# Altium PCB APP_EMILE.PcbDoc (part 5 of 6) (continued)
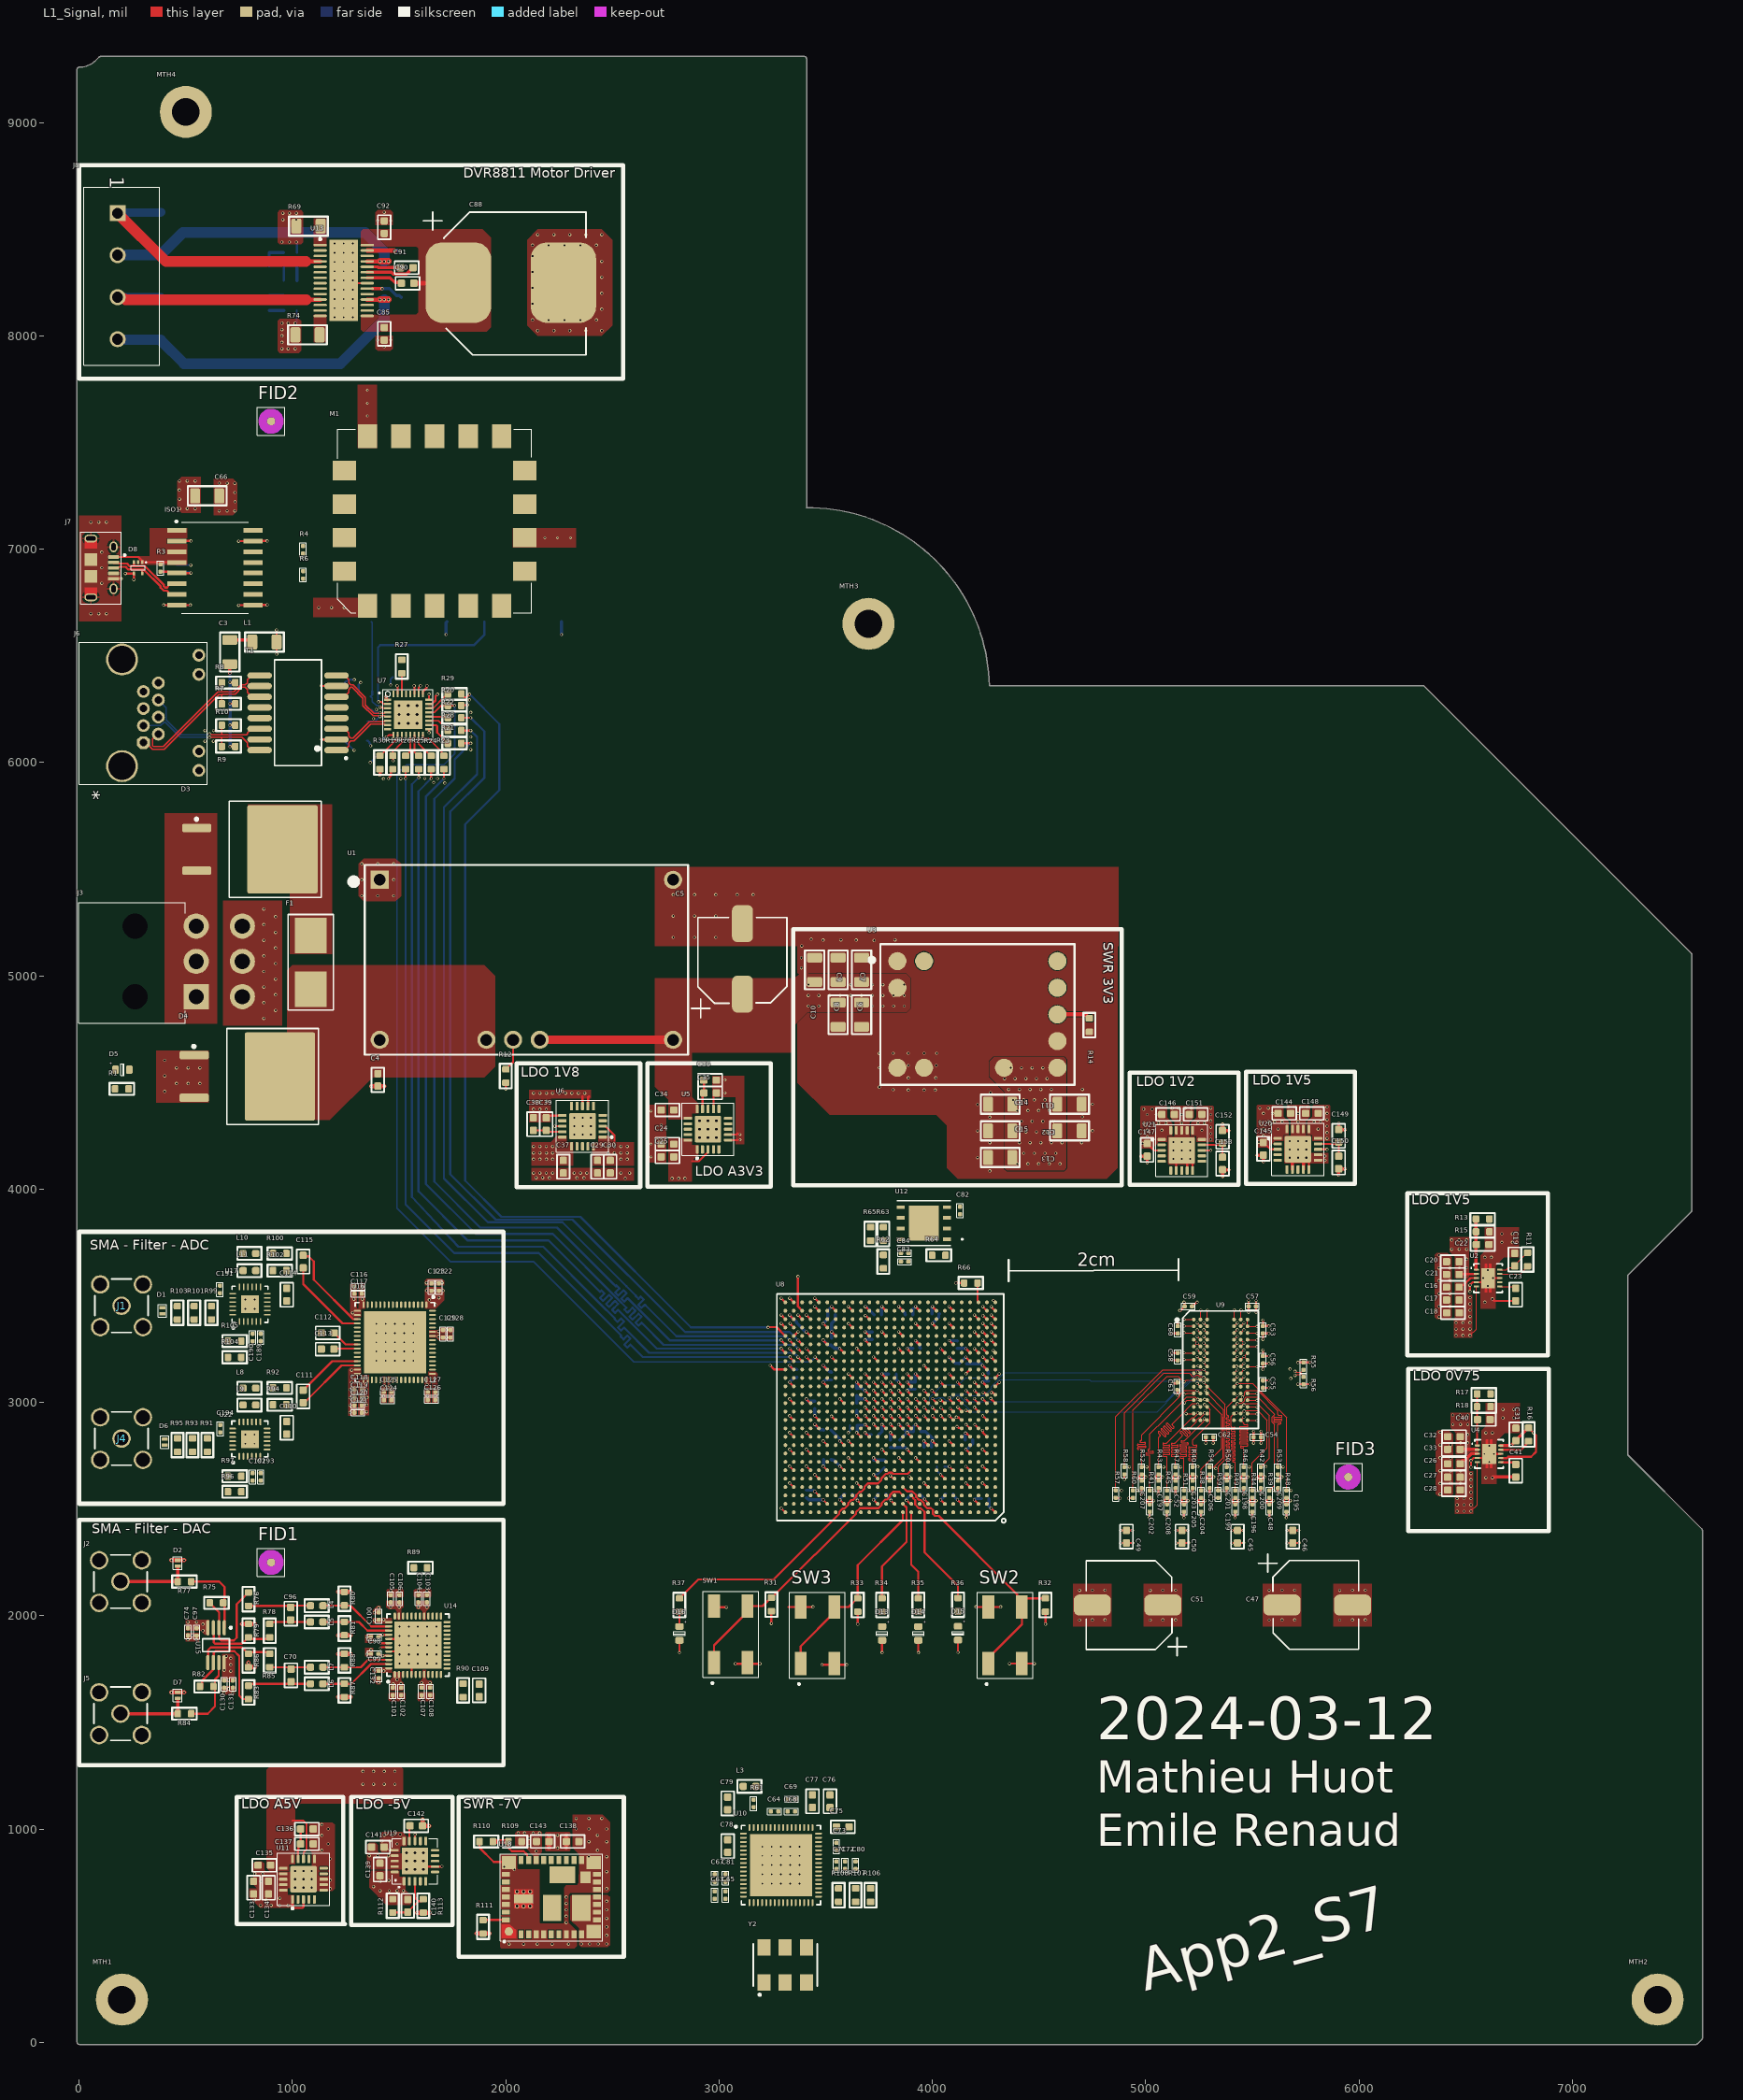
[diagram p0: L1_Signal view]
## Nets (pads, with @x,y where several pads share a name; then routed paths per layer and width w, separated by ;. In a path a pad name is that pad's centre, name@x,y a point inside that pad or via, vN(x,y) a via of type N, cw(c..) or ccw(c..) an arc to the next point about the centre after c; other vN are vias at no path point) (continued)
  L1_Signal w4: v1(5180,3038.39) 5181.8,3040.2 5193.5,3040.2 5195.5,3042.2 5223.86,3042.2 U9.M1@5224.53,3042.87 ; v1@5180.67,3200.35 U9.G1@5224.53,3200.35 ; v1@5180.67,3357.83 U9.B1@5224.53,3357.83 ; U9.B1@5224.53,3359.33 U9.B1@5225.2,3358.66 ; U9.E1@5225.2,3262.67 5225.93,3262.67 5240.77,3277.51 v1(5241.5,3277.51) ; U9.D1@5225.2,3294.17 5225.2,3293.99 5241.5,3277.69 v1(5241.5,3277.51) ; v1(5242.36,3088.43) 5242.36,3088.23 5256.7,3073.89 U9.L2@5256.7,3073.7 ; v1(5243.94,3141.54) 5246.92,3141.54 5249.15,3139.31 5254.07,3139.31 U9.J2@5256.7,3136.69 ; U9.E2@5256.7,3262.67 5256.52,3262.67 5241.68,3277.51 v1(5241.5,3277.51) ; v1(5273,3372) 5273.18,3372 5288.02,3357.16 U9.B3@5288.2,3357.16 ; U9.J8@5445.68,3136.69 5445.68,3138.12 5460.52,3152.96 v1(5460.52,3154.39) ; U9.G8@5445.68,3199.68 5445.68,3199.86 5460.52,3214.7 v1(5460.52,3214.88) v1@5460.69,3214.88 ; U9.E8@5445.68,3262.67 5445.68,3262.85 5460.52,3277.69 v1(5460.52,3277.87) 5460.52,3278.6 5445.68,3293.44 U9.D8@5445.68,3294.17 U9.D8@5445.68,3294.35 ; U9.G9@5477.17,3199.68 5476.44,3199.68 5461.25,3214.88 v1@5460.69,3214.88 ; U9.F9@5477.17,3231.18 5476.99,3231.18 v1@5460.69,3214.88 ; U9.B9@5477.17,3357.16 U9.A9@5477.17,3388.66 ; U9.T9@5477.84,2915.54 v1@5521.7,2915.54 ; U9.P9@5477.84,2978.54 v1@5521.7,2978.54 ; U9.M9@5477.84,3041.53 v1@5521.7,3041.53 ; U9.B9@5477.84,3356.49 v1@5521.7,3356.49
  L1_Signal w10: v1(747.47,6737.32) 747.87,6737.72 813.83,6737.72 ISO1.9@814.22,6738.11 814.62,6738.51 880.58,6738.51 v1(880.98,6738.9) ; v1(747.47,7037.32) 747.87,7037.72 813.83,7037.72 ISO1.15@814.22,7038.11 814.62,7038.51 880.58,7038.51 v1(880.98,7038.9) ; v1(925.26,6621.4) L1.1@925.26,6565.11 925.98,6564.4 v1(925.98,6508.11) ; v3(1283.31,8260) 1296.1,8247.2 U13.21@1350.24,8247.2 ; U14.44@1451.32,1832.17 1487.74,1832.17 v1(1501.52,1818.39) ; U14.41@1451.32,1891.22 1487.74,1891.22 v1(1501.52,1905) ; v1(1544.82,1775.08) 1558.6,1761.3 U14.5@1558.6,1724.88 ; v5(1613.19,810) 1626.97,823.78 U19.7@1668.3,823.78 1668.85,824.33 1699.45,824.33 v2(1700,824.88) ; v1(2000,4470) R12.1@2000,4498.5 ; C39.1@2189.65,4334.27 2199.44,4344.06 2263.27,4344.06 U6.11@2265.16,4345.95 ; U6.8@2359.65,4389.26 2359.65,4434.77 ; U6.7@2385.24,4389.26 2385.24,4430.36 2389.65,4434.77 ; v1(2814.02,1826.64) D16.K@2814.02,1884.41 ; U5.12@2973.59,4375.49 2973.59,4437.08 C35.1@2987.5,4451 ; SW1.2@2976.56,2040.21 v1(3034.33,2040.21) ; U5.6@3042.49,4229.82 3086.82,4229.82 3088,4231 ; U5.7@3042.49,4255.41 3082.41,4255.41 3088,4261 ; v1(3076.28,1774.46) v1(3191.81,1774.46) ; v1@3290.94,2504.11 U8.A26@3310.53,2484.52 ; v1@3290.94,3488.36 U8.AF26@3310.53,3468.77 ; v1(3330.24,2700.96) U8.F25@3349.9,2681.37 ; v1(3330.24,2858.44) U8.K25@3349.9,2838.85 ; v1(3330.24,3015.92) U8.P25@3349.9,2996.33 ; v1(3330.24,3173.4) U8.V25@3349.9,3153.81 ; U8.AB25@3349.9,3311.29 U8.AB25@3349.9,3311.64 ; U8.AB25@3350.33,3311.64 v2@3369.57,3330.88 ; v1@3409.05,2779.7 U8.H23@3428.64,2760.11 ; v1@3409.05,3252.14 U8.Y23@3428.64,3232.55 ; v1@3409.05,3409.62 U8.AD23@3428.64,3390.03 ; v1(3448.35,2661.59) U8.E22@3468.01,2642 ; v1(3448.35,2937.18) U8.M22@3468.01,2917.59 ; v1(3448.35,3448.99) U8.AE22@3468.01,3429.4 ; v1@3487.79,2543.48 U8.B21@3507.38,2523.89 ; v1@3487.79,3094.66 U8.T21@3507.38,3075.07 ; v1@3527.16,3212.77 U8.W20@3546.75,3193.18 ; v1@3527.16,3330.88 U8.AB20@3546.75,3311.29 ; v1@3566.53,2700.96 U8.F19@3586.12,2681.37 ; v1@3566.53,2819.07 U8.J19@3586.12,2799.48 ; v1@3566.53,3015.92 U8.P19@3586.12,2996.33 ; v1(3605.83,3448.99) U8.AE18@3625.49,3429.4 ; v1(3648.2,2540.56) 3648.38,2540.56 3664.86,2524.07 U8.B17@3664.86,2523.89 ; v1(3650,1960.73) R33.1@3650,2018.5 ; v1@3684.57,2858.44 U8.K16@3704.16,2838.85 ; v1@3684.57,2937.18 U8.M16@3704.16,2917.59 ; v1@3684.57,3015.92 U8.P16@3704.16,2996.33 ; v1@3684.64,3094.66 U8.T16@3704.23,3075.07 ; v1@3684.64,3330.88 U8.AB16@3704.23,3311.29 ; v2(3685.76,3407.62) 3686.65,3407.62 U8.AD16@3704.23,3390.03 ; v1@3723.94,2897.81 U8.L15@3743.53,2878.22 ; v1@3723.94,2976.55 U8.N15@3743.53,2956.96 ; v2(3723.94,3055.29) 3743.53,3035.7 U8.R15@3743.61,3035.7 ; v1(3723.94,2661.59) U8.E15@3743.61,2642 ; v1(3723.94,3212.77) U8.W15@3743.61,3193.18 ; v1(3763.23,2937.18) U8.M14@3782.9,2917.59 ; v1(3763.23,3015.92) U8.P14@3782.9,2996.33 ; v1@3763.38,3094.66 U8.T14@3782.98,3075.07 ; v1@3763.38,3448.99 U8.AE14@3782.98,3429.4 ; v1(3764.02,1826.64) D13.K@3764.02,1884.41 ; v1@3802.68,2897.81 U8.L13@3822.27,2878.22 ; v1@3802.68,2976.55 U8.N13@3822.27,2956.96 ; v1@3802.75,3055.29 U8.R13@3822.35,3035.7 ; v1(3805.68,2540.56) 3805.86,2540.56 3822.35,2524.07 U8.B13@3822.35,2523.89 ; v1@3842.05,2937.18 U8.M12@3861.64,2917.59 ; v1@3842.05,3015.92 U8.P12@3861.64,2996.33 ; v1(3842.05,3094.66) U8.T12@3861.72,3075.07 ; v1(3842.05,3330.88) U8.AB12@3861.72,3311.29 ; v1(3881.35,2897.81) U8.L11@3901.01,2878.22 ; v1(3881.35,2976.55) U8.N11@3901.01,2956.96 ; v1@3881.49,2779.7 U8.H11@3901.09,2760.11 ; v1@3881.49,3055.29 U8.R11@3901.09,3035.7 ; v1@3881.49,3134.03 U8.U11@3901.09,3114.44 ; v1@3881.49,3252.14 U8.Y11@3901.09,3232.55 ; v1(3892.19,2650.9) U8.E11@3901.09,2642 ; v1@3920.86,3448.99 U8.AE10@3940.46,3429.4 ; v1(3934.02,1826.64) D14.K@3934.02,1884.41 ; v1(3963.57,2546.89) 3963.57,2545.54 3978.35,2530.76 3978.35,2525.37 U8.B9@3979.83,2523.89 ; v1(3998.14,3055.93) U8.R8@4017.81,3036.34 ; v1(3999.53,2819.07) U8.J8@4019.2,2799.48 ; v1(3999.53,3370.25) U8.AC8@4019.2,3350.66 ; v1@4038.98,2661.59 U8.E7@4058.57,2642 ; v1@4038.98,3252.14 U8.Y7@4058.57,3232.55 ; v1@4078.35,3448.99 U8.AE6@4097.94,3429.4 ; v1(4112.62,2930.56) 4113.58,2929.6 4123.56,2929.6 4135.57,2917.59 U8.M5@4137.31,2917.59 ; v1(4117.64,2543.48) U8.B5@4137.31,2523.89 ; v1(4117.64,3094.66) U8.T5@4137.31,3075.07 ; v1(4120,1828.14) D15.K@4120,1885.91 ; v1@4157.09,2622.22 U8.D4@4176.68,2602.63 ; v1@4157.09,2779.7 U8.H4@4176.68,2760.11 ; v1@4157.09,3252.14 U8.Y4@4176.68,3232.55 ; v1(4235.75,2869.02) 4236.71,2868.06 4236.71,2857.91 U8.K2@4255.42,2839.2 U8.K2@4255.42,2838.85 ; v1(4235.75,3016.51) 4235.75,3016.43 U8.P2@4255.42,2996.68 U8.P2@4255.42,2996.33 ; v1@4235.83,2700.96 U8.F2@4255.42,2681.37 ; v1@4235.83,3173.4 U8.V2@4255.42,3153.81 ; v1@4235.83,3330.88 U8.AB2@4255.42,3311.29 ; v1@4275.2,2504.11 U8.A1@4294.79,2484.52 ; v1(4285.6,3477.89) 4285.81,3477.89 4294.79,3468.91 U8.AF1@4294.79,3468.77 ; v1(4530,1960.73) R32.1@4530,2018.5 ; v1(4883.5,2340.5) 4883.75,2340.75 4909.75,2340.75 C49.1@4910,2341 ; C49.1@4910.5,2340.5 4911,2341 v1(4940,2341) ; v1(4980,2570) 4980.5,2570.5 4980.5,2597 C207.1@4981,2597.5 ; v1(5017.55,2459.5) 5018.05,2460 C202.1@5018.05,2486.5 ; v1(5059,2570) 5059.5,2570.5 C197.1@5059.5,2597 ; v1(5099,2460) 5099.5,2460.5 C208.1@5099.5,2487 ; v1(5122.5,3201.02) 5123.85,3201.02 5127.86,3197.02 C58.1@5150,3197.02 ; v1(5124.5,3088.23) 5125.46,3089.19 5143.6,3089.19 C61.1@5147.6,3093.19 ; v1(5139,2570) 5139.5,2570.5 C52.1@5139.5,2597 ; U21.7@5143.23,4087 5143.23,4155.9 v1(5168.82,4181.49) 5194.41,4155.9 5194.41,4128.34 U21.9@5194.41,4087 ; v1(5143.62,2340.62) 5143.88,2340.88 5169.88,2340.88 C50.1@5170.12,2341.12 ; C60.1@5145.62,3362.39 C60.1@5150,3358 v1(5150,3385.5) ; v1(5160,3430) 5160.96,3430.96 5163.46,3430.96 C59.1@5182.5,3450 5180.96,3451.54 5180.96,3469.16 v1(5180,3470.11) ; C50.1@5170.62,2340.62 5171.12,2341.12 v1(5200.12,2341.12) ; v1(5179,2460) 5179.5,2460.5 C205.1@5179.5,2487 ; v1(5208.19,4142.12) 5220,4130.31 U21.10@5220,4087 ; v1(5219,2570) 5219.5,2570.5 C203.1@5219.5,2597 ; v1(5259,2460) 5259.5,2460.5 C204.1@5259.5,2487 ; v1(5299,2570) 5299.5,2570.5 C206.1@5299.5,2597 ; v1(5316.96,2809.39) C62.1@5316.96,2836.89 ; v1(5379,2570) 5379.5,2570.5 C201.1@5379.5,2597 ; v1(5403.62,2340.62) 5403.88,2340.88 5429.88,2340.88 C45.1@5430.12,2341.12 ; v1(5419,2459.5) 5419.5,2460 C199.1@5419.5,2486.5 ; C45.1@5430.62,2340.62 5431.12,2341.12 v1(5460.12,2341.12) ; v1(5459,2570) 5459.5,2570.5 C198.1@5459.5,2597 ; v1(5499,2460) 5499.5,2460.5 C196.1@5499.5,2487 ; v1(5506.01,2809.39) C54.1@5506.01,2836.89 v1(5506.01,2864.39) ; v1(5517.5,3422.5) C57.1@5517.5,3450 v1(5517.5,3477.5) ; v1(5539,2570) 5539.5,2570.5 C200.1@5539.5,2597 ; C55.1@5550,3068.14 v1(5577.5,3068.14) ; v1(5550,3244.86) C56.1@5550,3217.36 v1(5577.5,3217.36) ; v1(5550,3385.86) C53.1@5550,3358.36 v1(5577.5,3358.36) ; v1(5579,2460) 5579.5,2460.5 C48.1@5579.5,2487 ; v1(5619,2570) 5619.5,2570.5 C209.1@5619.5,2597 ; v1(5659,2460) 5659.5,2460.5 C195.1@5659.5,2487 ; v1(5663.62,2340.62) 5663.88,2340.88 5689.88,2340.88 C46.1@5690.12,2341.12 ; U20.E1@5688.23,4160.9 v1(5713.82,4186.49) ; C46.1@5690.62,2340.62 5691.12,2341.12 v1(5720.12,2341.12) ; v1(5713.75,3085.14) 5714,3085.39 R56.2@5740,3085.39 R56.2@5740.25,3085.64 ; v1(5713.75,3187.25) 5714,3187.5 R55.1@5740,3187.5 R55.1@5740.25,3187.75 ; R56.2@5740.75,3085.14 5741.25,3085.64 v1(5770.25,3085.64) ; R55.1@5740.75,3187.25 5741.25,3187.75 v1(5770.25,3187.75) ; v1(5753.19,4147.12) 5765,4135.31 U20.10@5765,4092 ; v1(6520,3520) v1(6520,3550) 6532.91,3562.91 U2.4@6549.88,3562.91 6577.52,3562.91 6582.36,3567.76 v1(6582.36,3582.6) ; v1(6524.91,2696.97) v1(6524.91,2726.97) 6537.83,2739.89 6582.43,2739.89 6587.28,2744.73 U4.11@6587.28,2759.57 ; v1(6624.91,2646.97) 6625.73,2646.97 v1@6628.82,2650.07 ; v1(6625,3484.7) 6625.81,3484.7 6634.81,3475.7 C23.1@6735,3475.7 ; v1(6627.64,3582.6) U2.8@6660.12,3582.6 ; v3(6632.79,2758.57) U4.8@6665.27,2758.57
  L1_Signal w15: v2(1409.55,5941.52) 1410,5941.97 R30.1@1410,5968.5 ; v2(1440,6310) 1440,6296.48 1442.58,6293.9 U7.1@1445.67,6293.9 ; v2(4977,4154) C147.1@5007.5,4154 ; v2(5007,4124) C147.1@5007,4153.5 ; U21.E1@5194.41,4128.34 v1(5208.19,4142.12) ; v2(5360,4060) C153.1@5360,4090.5 5360.5,4090 v2(5390,4090) ; C152.1@5360,4274.5 v2(5390.5,4274.5) ; C152.1@5360.5,4275 v2(5360.5,4304.5) ; v2(5522,4159) C145.1@5552.5,4159 ; v2(5552,4129) C145.1@5552,4158.5 ; U20.7@5688.23,4092 U20.E1@5688.23,4160.9 ; U20.9@5739.41,4092 5739.41,4133.34 v1(5753.19,4147.12) ; v2(5905,4065) C150.1@5905,4095.5 5905.5,4095 v2(5935,4095) ; C149.1@5905,4279.5 v2(5935.5,4279.5) ; C149.1@5905.5,4280 v2(5905.5,4309.5) ; v1@6628.82,2650.07 C41.1@6735.15,2650.07
  L1_Signal w20: v1(431.85,1640.63) v1(491.85,1640.63) ; v1(431.85,2260) v1(491.85,2260) ; v1(763.35,1961.5) v1(823.35,1961.5) ; v1(793.35,1780) R86.2@793.35,1758.5 v1(823.35,1758.5) ; v1(1213.35,1618.5) v1(1273.35,1618.5) ; v1(1213.35,1821.5) v1(1273.35,1821.5) ; v1(1213.35,1908.5) v1(1273.35,1908.5) ; v1(1213.35,2111.5) v1(1273.35,2111.5) ; v1(1370,4482.5) v1(1430,4482.5) ; v1(1583.95,607.57) v1(1643.95,607.57) ; v1(1610,1044.88) 1609.75,1044.63 1609.75,1015.13 C142.1@1609.5,1014.88 v2(1640,1014.88) ; v1(1863.25,509.56) v1(1923.25,509.56) ; v1(2202.75,911.06) v1(2202.75,971.06) ; v1(2283.75,911.06) v1(2283.75,971.06)
  L3_Signal w10: v1(3684.57,3330.88) 3684.57,3332.24 v1@3685.76,3333.43
  L12_Signal w10: R72.1@958.5,8260 959.5,8261 959.5,8329 C94.1@960.5,8330 ; v2(1013,8060) 1013,8061.35 1019.5,8067.85 C95.1@1019.5,8120 ; v2(1018,8440) 1018,8438.65 1021.5,8435.15 R71.1@1021.5,8390 ; C2.1@1233.5,6358.72 1233.5,6363.12 1249.77,6379.4 1254.18,6379.4 1262.63,6387.84 v2(1290,6387.84) ; C1.1@1243.5,6108.72 1243.5,6102.99 1288.38,6058.11 v2(1288.65,6058.11) ; Y1.2@1349.49,6102.48 1352.67,6102.48 1360.36,6094.79 1360.36,6091.61 1365.21,6086.76 1365.21,6079.34 v2(1366.17,6078.38) ; v2(1460,6363.88) 1460,6390.5 C43.1@1469.5,6400 ; v1(3605.83,2858.76) 3605.83,2860.11 3613.5,2867.78 C157.1@3613.5,2893 ; v1(3723.94,2661.59) 3724.9,2662.55 3743.05,2662.55 C184.1@3776,2695.5 ; C168.1@4021.4,2699.12 4021.4,2679.09 v1(4038.9,2661.59)
  L12_Signal w15: v2(1720,6600) 1720,6656.55 C44.2@1723.45,6660 ; v2(2260,6600) C42.2@2260,6660 ; v1(3330.24,3173.4) 3348.42,3155.22 3363.28,3155.22 C171.1@3365,3153.5 ; C174.1@3408.98,2553.5 3419,2543.48 v1(3487.72,2543.48) ; C178.1@3448,2971.5 3448,2937.53 v1(3448.35,2937.18) ; v1(3487.72,3094.66) 3498.56,3105.5 C170.1@3528,3105.5 ; C185.1@3524.5,2733 3527,2730.5 3536.92,2730.5 v1(3566.46,2700.96) ; C167.1@3524.5,2870 3566.46,2828.04 v1(3566.46,2819.07) ; C188.1@3528,3300.5 3528,3329.97 v1(3527.09,3330.88) 3527.09,3370.59 3544.5,3388 C183.1@3544.5,3411 ; C179.1@3623.25,2571 3648.2,2546.05 v1(3648.2,2540.56) ; C161.1@3645,2996.5 3645,3029 C154.1@3646,3030 ; C154.1@3645,3031.5 3659.5,3017 v1@3682,3017 ; v1(3684.49,2858.44) 3693.94,2849 C155.1@3713.5,2849 ; v1(3684.57,3330.88) 3685.95,3329.5 C165.1@3718,3329.5 ; C176.1@3761.5,3412 3761.5,3447.18 v1(3763.31,3448.99) ; C172.1@3781,2571 3805.68,2546.32 v1(3805.68,2540.56) ; C160.1@3804,2788.5 C156.1@3847,2788.5 3872.62,2788.5 v1(3881.42,2779.7) ; C186.1@3830.5,3133 3830.5,3106.21 v1(3842.05,3094.66) ; v1(3881.42,3055.29) 3887.63,3061.5 C159.1@3919,3061.5 ; v1(3881.42,3252.14) 3882.28,3253 C166.1@3908.5,3253 ; C169.1@3908.5,3412 3908.5,3436.7 v1(3920.79,3448.99) ; C180.1@3938.22,2571 3962.32,2546.89 v1(3963.57,2546.89) ; C158.1@3945.5,2864 3967,2864 3999.53,2831.47 v1(3999.53,2819.07) 3996.5,2816.04 C162.1@3996.5,2791 ; v1(3999.53,3370.25) 4030,3400.72 4030,3413.5 C177.1@4032.5,3416 ; C173.1@4096,2571 4098.5,2568.5 4098.5,2562.62 v1(4117.64,2543.48) ; C164.1@4116,3253.5 4155.65,3253.5 v1(4157.01,3252.14) ; v1(4157.01,2779.7) 4161.7,2779.7 4188.1,2806.1 4188.1,2823.6 C181.1@4188.5,2824 ; C163.1@4159.5,3181 4228.15,3181 v1(4235.75,3173.4) 4261.5,3147.65 4261.5,3138 C187.1@4264,3135.5 ; C182.1@4265.5,2549 4265.5,2513.73 v1(4275.12,2504.11)
  other v1: 2354.98,461.06 2393.25,461.06 2433.25,461.06 2473.25,461.06 2473.25,501.06 2473.25,541.06 2473.25,581.06 2473.25,621.06 2473.25,661.06 1012.09,725.12 1051.46,725.12 1090.83,725.12 1012.09,764.49 1051.46,764.49 1090.83,764.49 1012.09,803.86 1051.46,803.86 1090.83,803.86 2243.25,911.06 2243.25,971.06 679.69,1638.08 719.69,1638.08 699.69,1658.08 1501.52,1775.08 1588.13,1775.08 1631.44,1775.08 1674.74,1775.08 1544.82,1818.39 1588.13,1818.39 1631.44,1818.39 1674.74,1818.39 1501.52,1861.69 1544.82,1861.69 1588.13,1861.69 1631.44,1861.69 1674.74,1861.69 509.69,1888.08 549.69,1888.08 1544.82,1905 1588.13,1905 1631.44,1905 1674.74,1905 529.69,1908.08 1501.52,1948.31 1544.82,1948.31 1588.13,1948.31 1631.44,1948.31 1674.74,1948.31 4689.75,1979.5 5909.75,1979.5 4749.75,1979.75 4809.75,1980 5969.75,1979.75 6029.75,1980 4689.75,2119.25 4749.75,2119.5 5909.75,2119.25 5969.75,2119.5 4809.75,2119.75 6029.75,2119.75 4885.67,2587.34 4961.96,2587.5 5040.96,2587.5 5120.96,2587.5 5200.96,2587.5 5280.96,2587.5 5360.96,2587.5 5440.96,2587.5 5520.96,2587.5 5600.96,2587.5 5680.96,2587.5 6594.91,2646.97 5328.69,2689.77 4923.5,2697.58 5005.14,2697.43 5084.08,2697.58 5164.16,2697.47 5402.91,2697.05 5485.54,2697.58 5644.42,2697.47 5563.71,2698.22 5244.02,2698.85 6594.91,2856.97 6624.91,2856.97 5522.38,2914.87 6674.91,2926.97 6724.91,2926.97 6674.91,2966.97 6724.91,2966.97 5522.38,2977.86 5522.38,3040.86 5680.17,3112.91 5677,3156.32 5180,3201.02 5522.38,3355.82 5180,3358.5 6590,3470 6605,3545.2 6605,3620 6590,3680 6620,3680 6670,3750 6720,3750 6670,3790 6720,3790 5129.45,4142.12 5168.82,4142.12 5674.45,4147.12 5713.82,4147.12 5129.45,4181.49 5208.19,4181.49 5674.45,4186.49 5753.19,4186.49 5129.45,4220.86 5168.82,4220.86 5208.19,4220.86 5674.45,4225.86 5713.82,4225.86 5753.19,4225.86 2320.28,4255.4 2359.65,4255.4 2399.02,4255.4 2320.28,4294.77 2359.65,4294.77 2399.02,4294.77 2320.28,4334.14 2359.65,4334.14 2399.02,4334.14 2129.65,4374.77 2160,4374.77 2189.65,4374.77 2130,4412.38 2160,4412.38 2190,4412.38 2130,4450 2160,4450 2190,4450 2220,4450 2250,4450 2280,4450 2310,4450 2340,4450 2370,4450 400.98,4457.7 455.98,4494.91 510.98,4494.91 565.98,4494.91 400.98,4530.89 455.98,4568.11 510.98,4568.11 565.98,4568.11 400.98,4604.09 865.98,4800.72 920.98,4837.94 865.98,4873.92 920.98,4911.14 865.98,4947.12 920.98,4984.34 865.98,5020.32 920.98,5057.54 865.98,5093.52 920.98,5130.74 865.98,5166.72 920.98,5203.93 865.98,5239.91 920.98,5277.13 865.98,5313.11 1325,5375 1400,5375 1475,5375 1325,5450 1475,5450 1325,5525 1400,5525 1475,5525 1122.62,6726.51 1182.62,6726.51 1242.62,6726.51 656.21,7179.61 693.23,7179.61 730,7179.61 730.5,7222.68 729.66,7265.74 656.61,7309.61 693.62,7309.21 729.61,7308.81
  other v2: 1177.64,720 850,754.62 1177.64,760 822.85,790.08 860,790.08 1360,824.88 1177.64,860 1360,874.88 1400,874.88 1450,874.88 1137.64,900 1167.64,930 1137.64,970 1167.64,1000 1137.64,1020 1510.15,1608.33 1645.63,1608.33 1469.53,1609.4 1605,1609.4 1404.08,1685.79 1382.08,1705.79 1348.79,1819.92 1367.79,1839.92 1367.79,1880.92 1348.79,1899.92 1383.79,2014.92 1403.79,2036.92 1501.52,2115.6 1630,2115.6 1460.89,2116.67 1589.38,2116.67 6380,2570 6380,2620 6430,2620 6380,2680 6430,2680 6380,2740 6430,2740 6380,2800 6430,2800 6380,2860 1270.75,2952.52 1270.75,2986.52 1270.75,3021.52 1464.75,3028.52 1668.75,3031.52 1270.75,3060.52 1454.75,3078.52 1277.75,3093.52 1668,3112 1278.75,3123.52 1277.75,3150.52 1684.75,3332.52 1723.75,3340.52 6375.35,3400.43 1282.07,3420.15 6375.35,3450.43 6425.35,3450.43 1287.61,3484.02 6375.35,3510.43 6425.35,3510.43 1290.02,3525.95 1701.45,3560.45 1628.11,3560.9 1669.31,3561.08 6375.35,3570.43 6425.35,3570.43 6375.35,3630.43 6425.35,3630.43 6375.35,3690.43 2560,4050 2204.15,4052.4 2173.13,4053.23 2334.06,4052.67 2366.48,4052.67 2142.38,4053.78 2129.65,4075.27 2160,4075.27 2189.65,4075.27 2220,4075.27 2320.28,4075.27 2350,4075.27 2380,4075.27 2540,4075.27 2580,4075.27 4269,4085 5840,4135.31 4212,4147.98 5840,4155 4269,4217.98 4699.89,4217.98 4212,4272.98 4750,4274 5168.82,4310 5713.82,4315 4269,4337 4703,4339 5168.82,4350 5713.82,4355 5125,4380 5155,4380 5185,4380 5215,4380 5670,4385 5700,4385 5730,4385 5760,4385 4212,4397 4750,4397.98 4272,4452 3887,4464 3961,4464 4013,4464 3816,4466 4703,4467.98 3751,4478 3887,4521 4016,4521 3751,4569 3887,4580 4018,4580 3751,4636 3816,4637 3887,4637 3961,4637 4021,4637 3386,5037 3386,5084.98 3387,5140 3727,5166 3487,5168 3643,5168 3571,5169 3825,5169 3432,5172 2784.69,5180.11 2884.69,5180.11 2984.69,5180.11 2784.69,5280.11 2884.69,5280.11 2984.69,5280.11 2784.69,5380.11 2884.69,5380.11 2984.69,5380.11 3084.69,5380.11 3159.69,5380.11 1714.12,5904.04 1661.81,5905.95 1426.69,5923.38 1507.38,5924.55 1620.09,5927.03 1835,6060 590,6100 629.64,6100 1835,6120 590,6150 629.7,6150 1380,6205.47 1835,6234.84 1393.18,6248.31 1830,6293.98 950,7940 980,7940 1013,7940 1430,7950 950,7970 1400,7980 1460,7980.5 950,8000 2150,8025 2225,8025 2300,8025 2375,8025 2450,8025 950,8030 950,8060 980,8060 2125,8075 2200,8075 2275,8075 2350,8075 2425,8075 2450,8125 2125,8150 2450,8200 2125,8225 2450,8275 2125,8300 2450,8350 2125,8375 2125,8425 2200,8425 2275,8425 2350,8425 2425,8425 950,8440 985,8440 2150,8475 2225,8475 2300,8475 2375,8475 2450,8475 1400,8539.5 1460,8540 955,8545 1018,8545 955,8575 985,8575 1018,8575 1430,8580
  other v3: 3203.39,744.25 3246.69,744.25 3290,744.25 3333.31,744.25 3376.61,744.25 3203.39,787.56 3246.69,787.56 3290,787.56 3333.31,787.56 3376.61,787.56 3203.39,830.87 3246.69,830.87 3290,830.87 3333.31,830.87 3376.61,830.87 3203.39,874.18 3246.69,874.18 3290,874.18 3333.31,874.18 3376.61,874.18 3203.39,917.48 3246.69,917.48 3290,917.48 3333.31,917.48 3376.61,917.48 6610.15,2721.17 6587.51,2758.57 6610.15,2795.97 1393.41,3195.27 1436.72,3195.27 1480.02,3195.27 1523.33,3195.27 1566.64,3195.27 1393.41,3238.58 1436.72,3238.58 1480.02,3238.58 1523.33,3238.58 1566.64,3238.58 1393.41,3281.89 1436.72,3281.89 1480.02,3281.89 1523.33,3281.89 1566.64,3281.89 1393.41,3325.19 1436.72,3325.19 1480.02,3325.19 1523.33,3325.19 1566.64,3325.19 1393.41,3368.5 1436.72,3368.5 1480.02,3368.5 1523.33,3368.5 1566.64,3368.5 1196.69,8086.77 1240,8086.77 1283.31,8086.77 1196.69,8130.08 1240,8130.08 1283.31,8130.08 1196.69,8173.39 1240,8173.39 1283.31,8173.39 1196.69,8216.69 1240,8216.69 1283.31,8216.69 1196.69,8260 1240,8260 1196.69,8303.31 1240,8303.31 1283.31,8303.31 1196.69,8346.61 1240,8346.61 1283.31,8346.61 1196.69,8389.92 1240,8389.92 1283.31,8389.92 1196.69,8433.23 1240,8433.23 1283.31,8433.23
  other v4: 2681.35,4151 2681.35,4211 3098,4231 3098,4256 2728.5,4277.56 2728.5,4302.56 2681.35,4366 3028,4451 3028,4511 2183.26,7053.73 2243.26,7053.73 2303.26,7053.73 1351.05,7625.11 1351.05,7685.11 1351.05,7745.11
  other v5: 1534.45,810 1573.82,810 1534.45,849.37 1573.82,849.37 1613.19,849.37 1534.45,888.74 1573.82,888.74 1613.19,888.74
  other v6: 2908.63,4241.63 2948,4241.63 2987.37,4241.63 2908.63,4281 2948,4281 2987.37,4281 2908.63,4320.37 2948,4320.37 2987.37,4320.37
IO_L2_N: U8.A4
IO_L2_P: U8.B4
IO_L3_N: U8.D5
IO_L3_P: U8.E6
IO_L4_N: U8.A5
IO_L4_P: U8.C5
IO_L5_N: U8.F7
IO_L5_P: U8.G8
IO_L6N_2: U8.A6
IO_L6P_2: U8.B6
IO_L7N_2: U8.A7
IO_L7P_2: U8.C7
IO_L8N_2: U8.C6
IO_L8P_2: U8.D6
IO_L9N_2: U8.D7
IO_L9P_2: U8.E8
IO_L10N_2: U8.C8
IO_L10P_2: U8.D8
IO_L11N_2: U8.E9
IO_L11P_2: U8.F9
IO_L12N_2: U8.A8
IO_L12P_2: U8.B8
IO_L13N_2: U8.A9
IO_L13P_2: U8.C9
IO_L14N_2: U8.F10
IO_L14P_2: U8.E10
IO_L15N_2: U8.C10
IO_L15P_2: U8.D10
IO_L16N_2: U8.A10
IO_L16P_2: U8.B10
IO_L17N_2: R37.2 U8.F11 | length 1366.1
  L1_Signal w10: R37.2@2814.02,2081.5 2815.46,2081.5 2825.88,2091.92 2825.88,2093.35 2902.52,2170 3255.72,2170 3563.61,2477.89 3563.61,2486.2 3579.14,2501.73 3587.45,2501.73 3605.81,2520.09 3605.81,2528.4 3619.93,2542.51 3628.24,2542.51 3643.06,2557.34 3643.06,2565.65 3658.24,2580.82 3666.55,2580.82 3681.9,2596.18 3681.9,2604.49 3697.34,2619.93 3745.02,2619.93 3760.51,2635.41 3760.51,2643.73 3781.65,2664.86 3789.96,2664.86 3796.24,2671.15 3809.08,2671.15 3815.36,2664.86 3884.2,2664.86 U8.F11@3901.09,2681.72
IO_L17P_2: U8.D11
IO_L18N_2: R35.2 U8.A11 | length 417
  L1_Signal w10: U8.A11@3901.09,2484.87 3901.09,2238.91 3934.02,2205.98 R35.2@3934.02,2081.5
IO_L18P_2: R36.2 U8.C11 | length 576.2
  L1_Signal w10: U8.C11@3901.09,2563.61 3901.09,2561.52 3910.6,2552.01 3910.6,2549.98 3919.43,2541.15 3919.43,2521.43 3936.3,2504.56 3944.61,2504.56 3962.97,2486.2 3962.97,2297.03 4120,2140 R36.2@4120,2083
IO_L19N_2: R33.2 SW3.1 SW3.4 U8.A12 | length 949.1
  L1_Signal w10: SW3.1@3382.23,1775.24 3382.23,1856.93 3539.72,2014.41 SW3.4@3539.72,2040.99 3607.49,2040.99 3648,2081.5 R33.2@3650,2081.5 3650,2236.47 3861.72,2448.19 U8.A12@3861.72,2484.87
IO_L19P_2: R34.2 U8.B12 | length 497.2
  L1_Signal w10: R34.2@3764.02,2081.5 3764.02,2231.68 3878.57,2346.23 3878.57,2507.36 U8.B12@3861.72,2524.24